# Altium PCB PCB.PcbDoc (part 2 of 4)
Units mm, origin at the board's own origin, x right, y up, seen from the top; angles counter-clockwise.
Board outline 100 x 100 mm, 6 copper layers (Top Layer, Layer 2, Layer 3, Layer 4, Layer 5, Bottom Layer), stack 1.538 mm thick; 352 components, 247 nets, 1015 pads, 362 vias.
Unrouted connection lines stored in the file: 1.
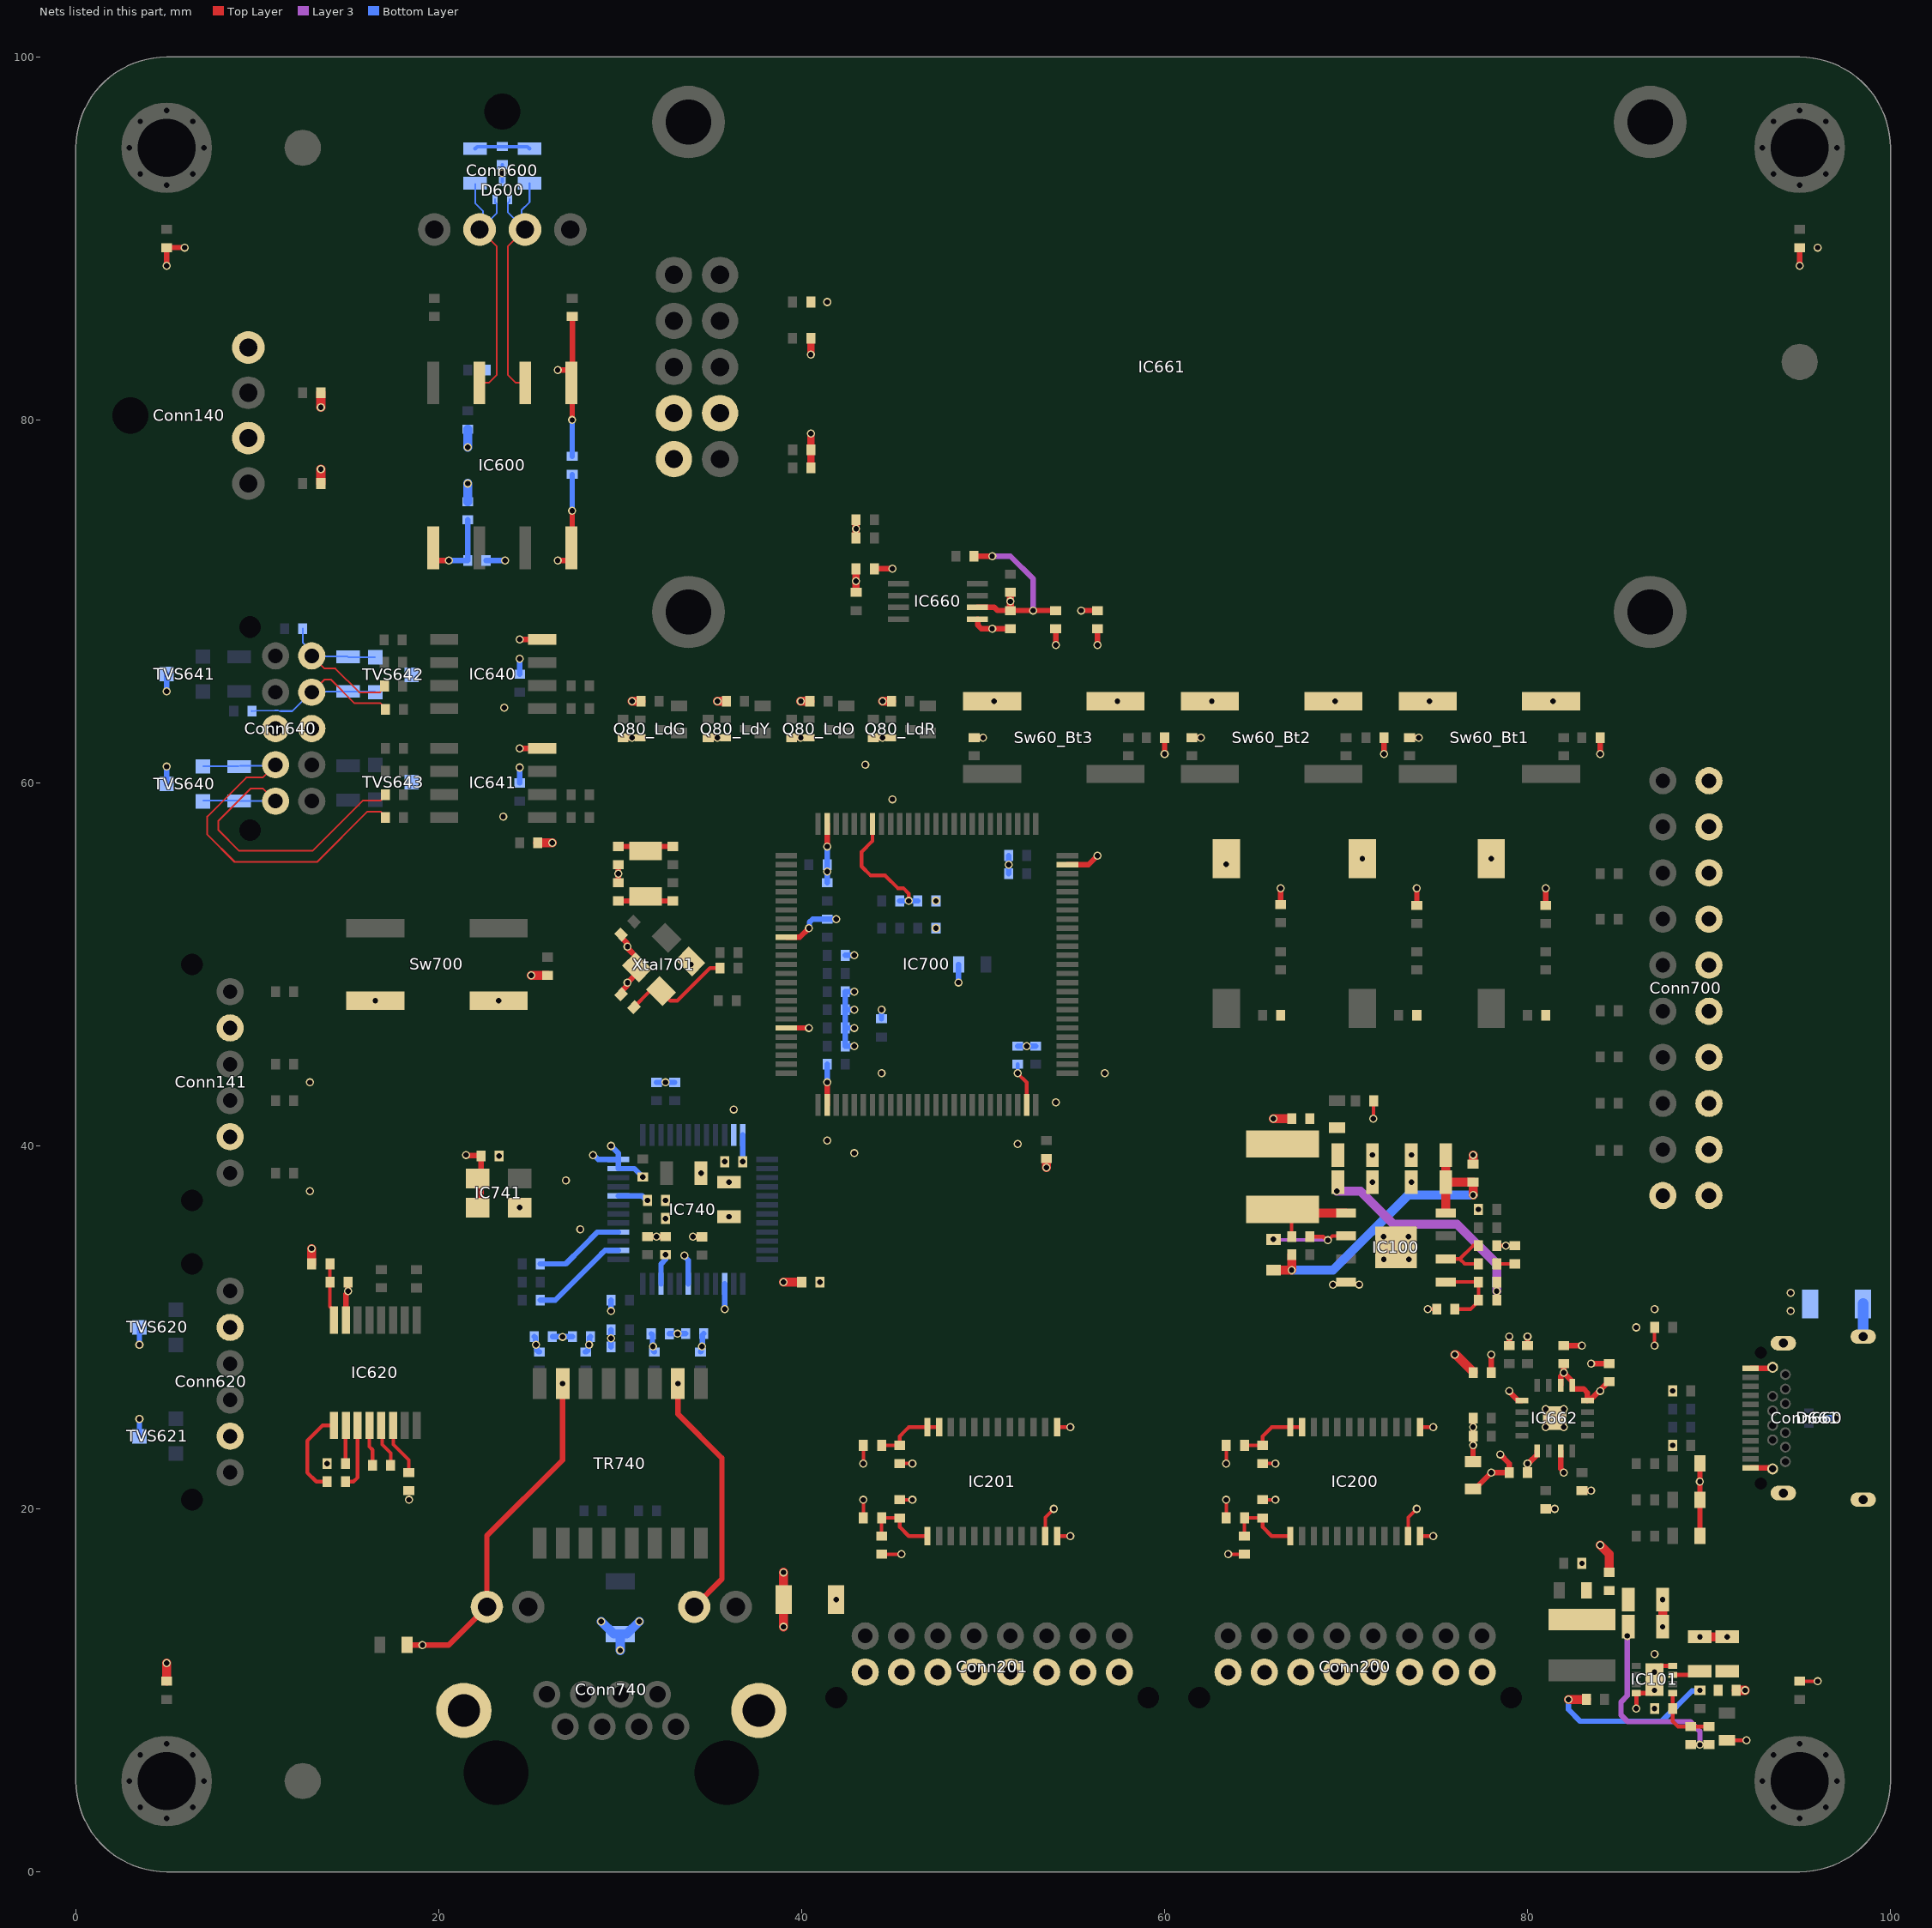
[diagram p6: the nets of this part, all layers, seen from the top]

## Footprints (in the part's own frame and the unit in brackets; to place one, negate y for a bottom-side part, rotate by r counter-clockwise, add the part's x,y. Pads: shape width x height; smd on the part's side, far side on the other; paste and mask are expansions set on the pad) (continued)
"QFP-100, 14mm x 14mm" [mm] "QFP, 100Pin, 14mm x 14mm, 1.6mm"
  rect 1.2x0.3 smd mask+0.05: 1(-7.75,6) 2(-7.75,5.5) 3(-7.75,5) 4(-7.75,4.5) 5(-7.75,4) 6(-7.75,3.5) 7(-7.75,3) 8(-7.75,2.5) 9(-7.75,2) 10(-7.75,1.5) 11(-7.75,1) 12(-7.75,0.5) 13(-7.75,0) 14(-7.75,-0.5) 15(-7.75,-1) 16(-7.75,-1.5) 17(-7.75,-2) 18(-7.75,-2.5) 19(-7.75,-3) 20(-7.75,-3.5) 21(-7.75,-4) 22(-7.75,-4.5) 23(-7.75,-5) 24(-7.75,-5.5) 25(-7.75,-6) 51(7.75,-6) 52(7.75,-5.5) 53(7.75,-5) 54(7.75,-4.5) 55(7.75,-4) 56(7.75,-3.5) 57(7.75,-3) 58(7.75,-2.5) 59(7.75,-2) 60(7.75,-1.5) 61(7.75,-1) 62(7.75,-0.5) 63(7.75,0) 64(7.75,0.5) 65(7.75,1) 66(7.75,1.5) 67(7.75,2) 68(7.75,2.5) 69(7.75,3) 70(7.75,3.5) 71(7.75,4) 72(7.75,4.5) 73(7.75,5) 74(7.75,5.5) 75(7.75,6)
  rect 0.3x1.2 smd mask+0.05: 26(-6,-7.75) 27(-5.5,-7.75) 28(-5,-7.75) 29(-4.5,-7.75) 30(-4,-7.75) 31(-3.5,-7.75) 32(-3,-7.75) 33(-2.5,-7.75) 34(-2,-7.75) 35(-1.5,-7.75) 36(-1,-7.75) 37(-0.5,-7.75) 38(0,-7.75) 39(0.5,-7.75) 40(1,-7.75) 41(1.5,-7.75) 42(2,-7.75) 43(2.5,-7.75) 44(3,-7.75) 45(3.5,-7.75) 46(4,-7.75) 47(4.5,-7.75) 48(5,-7.75) 49(5.5,-7.75) 50(6,-7.75) 76(6,7.75) 77(5.5,7.75) 78(5,7.75) 79(4.5,7.75) 80(4,7.75) 81(3.5,7.75) 82(3,7.75) 83(2.5,7.75) 84(2,7.75) 85(1.5,7.75) 86(1,7.75) 87(0.5,7.75) 88(0,7.75) 89(-0.5,7.75) 90(-1,7.75) 91(-1.5,7.75) 92(-2,7.75) 93(-2.5,7.75) 94(-3,7.75) 95(-3.5,7.75) 96(-4,7.75) 97(-4.5,7.75) 98(-5,7.75) 99(-5.5,7.75) 100(-6,7.75)
  silkscreen extent -7.8,-7.8 7.8,7.8, body extent -8,-8 8,8, height 1.61
Resistor_SMD_M1005_I0402 [mm] "Resistor, SMD, M1005, I0402"
  rect 0.5x0.6 smd mask+0.05: 1(-0.5,0) 2(0.5,0)
  silkscreen extent -0.1,-0.3 0.1,0.3, body extent -0.51,-0.25 0.49,0.25, height 0.18
Resistor_SMD_M2012_I0805 [mm] "Resistor, SMD, M2012, I0805"
  rect 0.7x1.3 smd mask+0.05: 1(-0.95,0) 2(0.95,0)
  silkscreen extent -0.4,-0.7 0.4,0.7, body extent -1,-0.63 1,0.63, height 0.3
"Richtek, RT2862xSP, SOP-8" [mm] "Richtek, RT2862xSP, SOP, 8Pin"
  rect 1.1x0.5 smd mask+0.05: 1-SW(-2.75,1.905) 2-BOOT(-2.75,0.635) 3-EN(-2.75,-0.635) 4-GND(-2.75,-1.905) 5-FB(2.75,-1.905) 6-COMP(2.75,-0.635) 7-RT(2.75,0.635) 8-VIN(2.75,1.905)
  rect 2.3x2.3 smd paste-0.35 mask+0.05: EP-GND(0,0)
  silkscreen extent -2,-2.5 2,2.5, body extent -3.02,-2.51 3.02,2.51, height 1.6
"RJ45 - Amphenol, RJHSE-x38-A1" [mil] "RJ45 - Amphenol, RJHSE-x38-A1"
  round 59.06 hole 35.43: 1(140,-35) 2(100,35) 3(60,-35) 4(20,35) 5(-20,-35) 6(-60,35) 7(-100,-35) 8(-140,35)
  round 0 hole 140 unplated: Hole-L(-250,-135) Hole-R(250,-135)
  round 70 hole 40: L1-A(-270,225) L1-C(-180,225) L2-A(180,225) L2-C(270,225)
  round 120 hole 70: Shield(-320,0) Shield(320,0)
  silkscreen extent -326,-350 325,270, body extent -331,-360 331,278, height 582
"Slide, SPST - C&K, SDA01HxS" [mm] "Slide, SPST - C&K, SDA01HxS"
  rect 1.5x2.15 smd mask+0.05: A(0,4.125) B(0,-4.125)
  silkscreen extent -2.26,-3.74 2.26,3.74, body extent -2.26,-4.65 2.26,4.65, height 5.44
"SOIC-8, NB" [mm] "SOIC-8, NB"
  rect 1.55x0.6 smd mask+0.05: 1(-2.7,1.905) 2(-2.7,0.635) 3(-2.7,-0.635) 4(-2.7,-1.905) 5(2.7,-1.905) 6(2.7,-0.635) 7(2.7,0.635) 8(2.7,1.905)
  silkscreen extent -2,-2.5 2,2.5, body extent -3,-2.45 3,2.45, height 1.75
"SOT-416FL, Mosfet - Type 1" [mm] "SOT-416FL, Mosfet - Type 1"
  rect 0.4x0.6 smd mask+0.05: D(0,0.55) G(-0.5,-0.55) S(0.5,-0.55)
  silkscreen extent -0.8,-0.45 0.8,0.45, body extent -0.8,-0.85 0.8,0.85, height 0.87
"Tactile, SPST - Panasonic, EVQQ2" [mm] "Tactile, SPST - Panasonic, EVQQ2"
  rect 3.2x1 smd mask+0.05: A(-3.4,-2) A(3.4,-2) B(-3.4,2) B(3.4,2)
  silkscreen extent -3,-3.25 3,3.25, body extent -3.3,-3 3.3,3, height 3.1
"Taiyo Yuden - Power Inductor, 4040TK" [mm] "Taiyo Yuden - Power Inductor, 4040TK"
  rect 1.2x3.7 smd mask+0.05: 1(-1.4,0) 2(1.4,0)
  silkscreen extent -2,-2 2,2, body extent -2,-2 2,2, height 1.2
"Taiyo Yuden - Power Inductor, 5050WK" [mm] "Taiyo Yuden - Power Inductor, 5050WK"
  rect 1.5x4 smd mask+0.05: 1(-1.8,0) 2(1.8,0)
  silkscreen extent -2,-2 2,2, body extent -2.45,-2.45 2.45,2.45, height 3
"Transformer, Pulse - Bourns, SM13126PEL" [mm] "Transformer, Pulse - Bourns, SM13126PEL"
  rect 1.7x0.76 smd mask+0.05: 1(-4.4,4.445) 2(-4.4,3.175) 3(-4.4,1.905) 4(-4.4,0.635) 5(-4.4,-0.635) 6(-4.4,-1.905) 7(-4.4,-3.175) 8(-4.4,-4.445) 9(4.4,-4.445) 10(4.4,-3.175) 11(4.4,-1.905) 12(4.4,-0.635) 13(4.4,0.635) 14(4.4,1.905) 15(4.4,3.175) 16(4.4,4.445)
  silkscreen extent -3.45,-6.4 3.45,6.4, body extent -4.72,-6.4 4.72,6.4, height 5.65
"TSSOP-8, Body 3mm, Pitch 0.65mm" [mm] "TSSOP-8, Body 3mm, Pitch 0.65mm"
  rect 1.15x0.3 smd mask+0.05: 1(-2.175,0.975) 2(-2.175,0.325) 3(-2.175,-0.325) 4(-2.175,-0.975) 5(2.175,-0.975) 6(2.175,-0.325) 7(2.175,0.325) 8(2.175,0.975)
  silkscreen extent -1.5,-1.5 1.5,1.5, body extent -2.5,-1.55 2.5,1.55, height 1.11
TSSOP-16 [mm] "TSSOP-16"
  rect 1.5x0.45 smd mask+0.05: 1(-2.9,2.275) 2(-2.9,1.625) 3(-2.9,0.975) 4(-2.9,0.325) 5(-2.9,-0.325) 6(-2.9,-0.975) 7(-2.9,-1.625) 8(-2.9,-2.275) 9(2.9,-2.275) 9(2.9,-2.275) 10(2.9,-1.625) 11(2.9,-0.975) 12(2.9,-0.325) 13(2.9,0.325) 14(2.9,0.975) 15(2.9,1.625) 16(2.9,2.275)
  silkscreen extent -2.25,-2.55 2.25,2.55, body extent -3.2,-2.5 3.2,2.5, height 1.13
TSSOP-24 [mm] "TSSOP-24"
  rect 1x0.35 smd mask+0.05: 1(-3,3.575) 2(-3,2.925) 3(-3,2.275) 4(-3,1.625) 5(-3,0.975) 6(-3,0.325) 7(-3,-0.325) 8(-3,-0.975) 9(-3,-1.625) 10(-3,-2.275) 11(-3,-2.925) 12(-3,-3.575) 13(3,-3.575) 14(3,-2.925) 15(3,-2.275) 16(3,-1.625) 17(3,-0.975) 18(3,-0.325) 19(3,0.325) 20(3,0.975) 21(3,1.625) 22(3,2.275) 23(3,2.925) 24(3,3.575)
  silkscreen extent -2.25,-3.95 2.25,3.95, body extent -3.28,-3.95 3.28,3.95, height 1.2

## Part data
C40_Sw1 C40_Sw2 C40_Sw3 C60_Bt1 C60_Bt2 C60_Bt3 C100 C200 C201 C202 C203 C600 C601 C602 C620 C621 C622 C623 C624 C640 C641 C660 C661 C662 C663 C664 C700 C704 C705 C706 C707 C708 C709 C712 C713 C715 C741 C742 C743 C744 C746 C747 C748 C750 C752 C753 C754: Manufacturer="KYOCERA AVX", Manufacturer Part Number=04026D104KAT4A, Operating Temperature, Max=+85℃, Operating Temperature, Min=-55℃, Package=M1005, Rated Voltage=6.3V, Supplier Part Number=478-11504-1-ND, Temperature Coefficient=X5R, Tolerance=±10%, Component Category=Capacitor, Component Type=Ceramic, ComponentLink1Description=Datasheet, ComponentLink1URL="C:\Users\Public\Documents\Altium\env\Datasheets\Capacitor\Kyocera X5R Ceramic.pdf", ComponentLink2Description="Supplier Link", ComponentLink2URL=https://www.digikey.com/en/products/detail/kyocera-avx/04026D104KAT4A/8107673, Price, Max=$0.00240, Price, Min=$0.08000, Quantity, Max=50,000, Quantity, Min=1, Supplier=Digikey, Supplier Currency=$, Supplier Link=https://www.digikey.com/en/products/detail/kyocera-avx/04026D104KAT4A/8107673
C101 C102 C104 C105 C108 C109 C110 C111: "Cap, Cer, 22uF, 6.3V, M2012", Manufacturer=Murata, Manufacturer Part Number=GRM21BR60J226ME39K, Operating Temperature, Max=+85℃, Operating Temperature, Min=-55℃, Package=M2012, Rated Voltage=6.3V, Supplier Part Number=490-6471-1-ND, Temperature Coefficient=X5R, Tolerance=20%, Component Category=Capacitor, Component Type=Ceramic, ComponentLink1Description=Datasheet, ComponentLink1URL="C:\Users\User\OneDrive - Karadeniz Teknik University\Masaüstü\pcb\Altium-Designer-ile-Elektronik-Devre-Karti-Tasarimi_2024-main\Datasheets\Capacitor\Murata - Multilayer Ceramic Capacitors.pdf", ComponentLink2Description="Supplier Link", ComponentLink2URL=https://www.digikey.com/en/products/detail/murata-electronics/GRM21BR60J226ME39K/2546881, Price, Max=$0.02815, Price, Min=$0.21000, Quantity, Max=30,000, Quantity, Min=1, Supplier=Digikey, Supplier Currency=$, Supplier Link=https://www.digikey.com/en/products/detail/murata-electronics/GRM21BR60J226ME39K/2546881
C103 C106 C112 C667 C668 C701 C702: "Cap, Cer, 22pF, 25V, M1005", Manufacturer=Walsin, Manufacturer Part Number=0402N220J250CT, Operating Temperature, Max=+125℃, Operating Temperature, Min=-55℃, Package=M1005, Rated Voltage=25V, Supplier Part Number=1292-1282-1-ND, Temperature Coefficient="C0G, NP0", Tolerance=5%, Component Category=Capacitor, Component Type=Ceramic, ComponentLink1Description=Datasheet, ComponentLink1URL="C:\Users\User\OneDrive - Karadeniz Teknik University\Masaüstü\pcb\Altium-Designer-ile-Elektronik-Devre-Karti-Tasarimi_2024-main\Datasheets\Capacitor\Walsin - Multilayer Ceramic Capacitors.pdf", ComponentLink2Description="Supplier Link", ComponentLink2URL=https://www.digikey.com/en/products/detail/walsin-technology-corporation/0402N220J250CT/9354779, Price, Max=$0.00128, Price, Min=$0.10000, Quantity, Max=250,000, Quantity, Min=1, Supplier=Digikey, Supplier Currency=$, Supplier Link=https://www.digikey.com/en/products/detail/walsin-technology-corporation/0402N220J250CT/9354779
C107: "Cap, Cer, 2.7nF, 50V, M1005", Manufacturer=Yageo, Manufacturer Part Number=CC0402KRX7R9BB272, Operating Temperature, Max=+125℃, Operating Temperature, Min=-55℃, Package=M1005, Rated Voltage=50V, Supplier Part Number=311-1033-1-ND, Temperature Coefficient=X7R, Tolerance=10%, Component Category=Capacitor, Component Type=Ceramic, ComponentLink1Description=Datasheet, ComponentLink1URL="C:\Users\User\OneDrive - Karadeniz Teknik University\Masaüstü\pcb\Altium-Designer-ile-Elektronik-Devre-Karti-Tasarimi_2024-main\Datasheets\Capacitor\Yageo - Surface-Mount Ceramic Multilayer Capacitors.pdf", ComponentLink2Description="Supplier Link", ComponentLink2URL=https://www.digikey.com/en/products/detail/yageo/CC0402KRX7R9BB272/302767, Price, Max=$0.00128, Price, Min=$0.10000, Quantity, Max=250,000, Quantity, Min=1, Supplier=Digikey, Supplier Currency=$, Supplier Link=https://www.digikey.com/en/products/detail/yageo/CC0402KRX7R9BB272/302767
C665 C703: "Cap, Cer, 1uF, 6.3V, M1005", Manufacturer=Samsung, Manufacturer Part Number=CL10A475KQ8NNNC, Operating Temperature, Max=+85℃, Operating Temperature, Min=-55℃, Package=M1005, Rated Voltage=6.3V, Supplier Part Number=1276-1045-1-ND, Temperature Coefficient=X5R, Tolerance=10%, Component Category=Capacitor, Component Type=Ceramic, ComponentLink1Description=Datasheet, ComponentLink1URL="C:\Users\Public\Documents\Altium\env\Datasheets\Capacitor\Samsung - Multi Layer Ceramic Capacitors.pdf", ComponentLink2Description="Supplier Link", ComponentLink2URL=https://www.digikey.com/en/products/detail/samsung-electro-mechanics/CL10A475KQ8NNNC/3886703, Price, Max=$0.00431, Price, Min=$0.08000, Quantity, Max=4,000, Quantity, Min=1, Supplier=Digikey, Supplier Currency=$, Supplier Link=https://www.digikey.com/en/products/detail/samsung-electro-mechanics/CL10A475KQ8NNNC/3886703
C669 C749 C751: "Cap, Cer, 1nF, 2kV, M3216", Manufacturer=Yageo, Manufacturer Part Number=CC1206MKX7RDBB102, Operating Temperature, Max=+125℃, Operating Temperature, Min=-55℃, Package=M3216, Rated Voltage=2kV, Supplier Part Number=311-4501-1-ND, Temperature Coefficient=X7R, Tolerance=20%, Component Category=Capacitor, Component Type=Ceramic, ComponentLink1Description=Datasheet, ComponentLink1URL="C:\Users\User\OneDrive - Karadeniz Teknik University\Masaüstü\pcb\Altium-Designer-ile-Elektronik-Devre-Karti-Tasarimi_2024-main\Datasheets\Capacitor\Walsin - Multilayer Ceramic Capacitors.pdf", ComponentLink2Description="Supplier Link", ComponentLink2URL=https://www.digikey.com/en/products/detail/yageo/CC1206MKX7RDBB102/5884663, Price, Max=$0.03901, Price, Min=$0.23000, Quantity, Max=75,000, Quantity, Min=1, Supplier=Digikey, Supplier Currency=$, Supplier Link=https://www.digikey.com/en/products/detail/yageo/CC1206MKX7RDBB102/5884663
C710 C711: "Cap, Cer, 1uF, 6.3V, M1005", Manufacturer=Samsung, Manufacturer Part Number=CL05A105MQ5NNNC, Operating Temperature, Max=+85℃, Operating Temperature, Min=-55℃, Package=M1005, Rated Voltage=6.3V, Supplier Part Number=1276-1235-1-ND, Temperature Coefficient=X5R, Tolerance=20%, Component Category=Capacitor, Component Type=Ceramic, ComponentLink1Description=Datasheet, ComponentLink1URL="C:\Users\Public\Documents\Altium\env\Datasheets\Capacitor\Samsung - Multi Layer Ceramic Capacitors.pdf", ComponentLink2Description="Supplier Link", ComponentLink2URL=https://www.digikey.com/en/products/detail/samsung-electro-mechanics/CL05A105MQ5NNNC/3886893, Price, Max=$0.00211, Price, Min=$0.10000, Quantity, Max=250,000, Quantity, Min=1, Supplier=Digikey, Supplier Currency=$, Supplier Link=https://www.digikey.com/en/products/detail/samsung-electro-mechanics/CL05A105MQ5NNNC/3886893
C714 C718: "Cap, Cer, 16pF, 50V, M1005", Manufacturer=Walsin, Manufacturer Part Number=0402N160J500CT, Operating Temperature, Max=+125℃, Operating Temperature, Min=-55℃, Package=M1005, Rated Voltage=50V, Supplier Part Number=1292-1262-1-ND, Temperature Coefficient="C0G, NP0", Tolerance=5%, Component Category=Capacitor, Component Type=Ceramic, ComponentLink1Description=Datasheet, ComponentLink1URL="C:\Users\Public\Documents\Altium\env\Datasheets\Capacitor\Walsin - Multilayer Ceramic Capacitors.pdf", ComponentLink2Description="Supplier Link", ComponentLink2URL=https://www.digikey.com/en/products/detail/walsin-technology-corporation/0402N160J500CT/9354759, Price, Max=$0.00182, Price, Min=$0.10000, Quantity, Max=250,000, Quantity, Min=1, Supplier=Digikey, Supplier Currency=$, Supplier Link=https://www.digikey.com/en/products/detail/walsin-technology-corporation/0402N160J500CT/9354759
C716 C717: "Cap, Cer, 1uF, 6.3V, M1005", Manufacturer=Samsung, Manufacturer Part Number=CL05A225MQ5NNNC, Operating Temperature, Max=+85℃, Operating Temperature, Min=-55℃, Package=M1005, Rated Voltage=6.3V, Supplier Part Number=1276-1469-1-ND, Temperature Coefficient=X5R, Tolerance=20%, Component Category=Capacitor, Component Type=Ceramic, ComponentLink1Description=Datasheet, ComponentLink1URL="C:\Users\Public\Documents\Altium\env\Datasheets\Capacitor\Samsung - Multi Layer Ceramic Capacitors.pdf", ComponentLink2Description="Supplier Link", ComponentLink2URL=https://www.digikey.com/en/products/detail/samsung-electro-mechanics/CL05A225MQ5NNNC/3887127, Price, Max=$0.00241, Price, Min=$0.08000, Quantity, Max=10,000, Quantity, Min=1, Supplier=Digikey, Supplier Currency=$, Supplier Link=https://www.digikey.com/en/products/detail/samsung-electro-mechanics/CL05A225MQ5NNNC/3887127
C740 C745: "Cap, Cer, 10uF, 6.3V, M2012", Manufacturer=Samsung, Manufacturer Part Number=CL21A106MQFNNNE, Operating Temperature, Max=+85℃, Operating Temperature, Min=-55℃, Package=M2012, Rated Voltage=6.3V, Supplier Part Number=1292-1282-1-ND, Temperature Coefficient=X5R, Tolerance=20%, Component Category=Capacitor, Component Type=Ceramic, ComponentLink1Description=Datasheet, ComponentLink1URL="C:\Users\User\OneDrive - Karadeniz Teknik University\Masaüstü\pcb\Altium-Designer-ile-Elektronik-Devre-Karti-Tasarimi_2024-main\Datasheets\Capacitor\Walsin - Multilayer Ceramic Capacitors.pdf", ComponentLink2Description="Supplier Link", ComponentLink2URL=https://www.digikey.com/en/products/detail/walsin-technology-corporation/0402N220J250CT/9354779, Price, Max=$0.00846, Price, Min=$0.10000, Quantity, Max=50,000, Quantity, Min=1, Supplier=Digikey, Supplier Currency=$, Supplier Link=https://www.digikey.com/en/products/detail/samsung-electro-mechanics/CL21A106MQFNNNE/3886956
Conn140 Conn600: "Conn, JST, 4P, TH, XA, Side Entry", Manufacturer=JST, Manufacturer Part Number=S04B-XASK-1(LF)(SN), Operating Temperature, Max=+85℃, Operating Temperature, Min=-25℃, Package="SMD, TH, Side Entry", Supplier Part Number=455-4090-ND, Component Category=Connector, Component Type=PCB, ComponentLink1Description=Datasheet, ComponentLink1URL="C:\Users\Public\Documents\Altium\env\Datasheets\Connector - JST\XA Family.pdf", ComponentLink2Description="Supplier Link", ComponentLink2URL=https://www.digikey.com/en/products/detail/jst-sales-america-inc/S04B-XASK-1-LF-SN/7230506, Price, Max=$0.21016, Price, Min=$0.40000, Quantity, Max=10,000, Quantity, Min=1, Supplier=Digikey, Supplier Currency=$, Supplier Link=https://www.digikey.com/en/products/detail/jst-sales-america-inc/S04B-XASK-1-LF-SN/7230506
Conn141 Conn620: "Connector, 6Pin", Manufacturer=JST, Manufacturer Part Number=S06B-PASK-2, Operating Temperature, Max=+85℃, Operating Temperature, Min=-25℃, Package="TH, Side", Supplier Part Number=455-S06B-PASK-2-ND, Component Category=Connector, Component Type=PCB, ComponentLink1Description=Datasheet, ComponentLink1URL=C:\Users\Public\Documents\Altium\env\Datasheets\Connector\S06B-PASK-2(LF)(SN).pdf, ComponentLink2Description="Supplier Link", ComponentLink2URL=https://www.digikey.com/en/products/detail/jst-sales-america-inc/S06B-PASK-2/926757?s=N4IgTCBcDaIMoAYBsAhAtABQIJwNJrAAoAZAMQEpC4A5ckAXQF8g, Price, Max=$0.20057, Price, Min=$0.38000, Quantity, Max=10,000, Quantity, Min=1, Supplier=Digikey, Supplier Currency=$, Supplier Link=https://www.digikey.com/en/products/detail/jst-sales-america-inc/S06B-PASK-2/926757?s=N4IgTCBcDaIMoAYBsAhAtABQIJwNJrAAoAZAMQEpC4A5ckAXQF8g
Conn200 Conn201: "Conn, JST, 16P, TH, PAD, Side Entry", Manufacturer=JST, Manufacturer Part Number=S16B-PADSS-1(LF)(SN), Operating Temperature, Max=+85℃, Operating Temperature, Min=-25℃, Package="TH, 2 Rows, RA, Side Entry", Supplier Part Number=455-2037-ND, Component Category=Connector, Component Type=PCB, ComponentLink1Description=Datasheet, ComponentLink1URL="C:\Users\Public\Documents\Altium\env\Datasheets\Connector - JST\PAD Family.pdf", ComponentLink2Description="Supplier Link", ComponentLink2URL=https://www.digikey.com/en/products/detail/jst-sales-america-inc/S16B-PADSS-1-LF-SN/1634778, Price, Max=$0.33258, Price, Min=$0.62000, Quantity, Max=10,080, Quantity, Min=1, Supplier=Digikey, Supplier Currency=$, Supplier Link=https://www.digikey.com/en/products/detail/jst-sales-america-inc/S16B-PADSS-1-LF-SN/1634778
Conn640: "Conn, JST, 10P, TH, PAD, Side Entry", Manufacturer=JST, Manufacturer Part Number=S10B-PADSS-1(LF)(SN), Operating Temperature, Max=+85℃, Operating Temperature, Min=-25℃, Package="TH, 2 Rows, RA, Side Entry", Supplier Part Number=455-2032-ND, Component Category=Connector, Component Type=PCB, ComponentLink1Description=Datasheet, ComponentLink1URL="C:\Users\Public\Documents\Altium\env\Datasheets\Connector - JST\PAD Family.pdf", ComponentLink2Description="Supplier Link", ComponentLink2URL=https://www.digikey.com/en/products/detail/jst-sales-america-inc/S10B-PADSS-1-LF-SN/1634773, Supplier=Digikey, Supplier Currency=$, Supplier Link=https://www.digikey.com/en/products/detail/jst-sales-america-inc/S10B-PADSS-1-LF-SN/1634773
Conn660: "Connector, USB, Type-C", Manufacturer=GCT, Manufacturer Part Number=USB4056-03-A, Operating Temperature, Max=+85℃, Operating Temperature, Min=-25℃, Package=Type-C, Supplier Part Number=2073-USB4056-03-ACT-ND, Component Category=Connector, Component Type=PCB, ComponentLink1Description=Datasheet, ComponentLink1URL="C:\Users\Public\Documents\Altium\env\Datasheets\Connector - USB\GCT, USB4056.pdf", ComponentLink2Description="Supplier Link", ComponentLink2URL=https://www.digikey.com/en/products/detail/gct/usb4056-03-a/14638038, Price, Max=$0.47490, Price, Min=$0.91000, Quantity, Max=10,000, Quantity, Min=1, Supplier=Digikey, Supplier Currency=$, Supplier Link=https://www.digikey.com/en/products/detail/gct/usb4056-03-a/14638038
Conn700: "Conn, Header, 20P, RA, TH, Shrouded", Manufacturer=Omron, Manufacturer Part Number=XG4C-2034, Operating Temperature, Max=+105℃, Operating Temperature, Min=-55℃, Package="TH, RA, Shrouded", Supplier Part Number=OR900-ND, Component Category=Connector, Component Type=Header, ComponentLink1Description=Datasheet, ComponentLink1URL="E:\Altium\Datasheets\Connector - Header\Connector - Omron, XG4 Series.pdf", ComponentLink2Description="Supplier Link", ComponentLink2URL=https://www.digikey.com/en/products/detail/omron-electronics-inc-emc-div/XG4C-2034/1787182, Price, Max=1.27716, Price, Min=1.97, Quantity, Max=450, Quantity, Min=1, Supplier=Digikey, Supplier Currency=$, Supplier Link=https://www.digikey.com/en/products/detail/omron-electronics-inc-emc-div/XG4C-2034/1787182
Conn740: Manufacturer=Amphenol, Manufacturer Part Number=RJHSE-x38-A1, Operating Temperature, Max=+85℃, Operating Temperature, Min=-55℃, Package=RJ45, Supplier Part Number=RJHSE5381A1-ND, Component Category=Connector, Component Type="Registered Jack", ComponentLink1Description=Datasheet, ComponentLink1URL="C:\Users\Public\Documents\Altium\env\Datasheets\Connector\RJ45 - Amphenol.pdf", ComponentLink2Description="Supplier Link", ComponentLink2URL=https://www.digikey.com/en/products/detail/amphenol-icc-commercial-products/rjhse5381a1/3083556, Price, Max=$1.09002, Price, Min=$1.90000, Quantity, Max=2,520, Quantity, Min=1, Supplier=Digikey, Supplier Currency=$, Supplier Link=https://www.digikey.com/en/products/detail/amphenol-icc-commercial-products/rjhse5381a1/3083556
D100: "Diode, Schottky, 30V, 200mA, SOD-523", Current=200mA, Manufacturer=Toshiba, Manufacturer Part Number=CES521,L3F, Operating Temperature, Max=+125℃, Operating Temperature, Min=---℃, Package=SOD-523, Supplier Part Number=CES521L3FCT-ND, Voltage=30V, Component Category=Diode, Component Type=Schottky, ComponentLink1Description=Datasheet, ComponentLink1URL=C:\Users\Public\Documents\Altium\env\Datasheets\Diode\Toshiba_CES521_Schottky_Diode.pdf, ComponentLink2Description="Supplier Link", ComponentLink2URL=https://www.digikey.com/en/products/detail/toshiba-semiconductor-and-storage/CES521-L3F/3522356, Price, Max=$0.01500, Price, Min=$0.13000, Quantity, Max=16,000, Quantity, Min=1, Supplier=Digikey, Supplier Currency=$, Supplier Link=https://www.digikey.com/en/products/detail/toshiba-semiconductor-and-storage/CES521-L3F/3522356
D101 D102 D103 D200 D201 D202 D203 D660 D662 D663 D740: Current=20mA, Manufacturer="Rohm Semiconductor", Manufacturer Part Number=SML-D12U1WT86, Operating Temperature, Max=+85℃, Operating Temperature, Min=-40℃, Package=M1608, Supplier Part Number=SML-D12U1WT86CT-ND, Voltage=2.2V, Component Category=Diode, Component Type=LED, ComponentLink1Description=Datasheet, ComponentLink1URL=C:\Users\Public\Documents\Altium\env\Datasheets\Diode\Rohm_LED_Red.pdf, ComponentLink2Description="Supplier Link", ComponentLink2URL=https://www.digikey.com/en/products/detail/rohm-semiconductor/sml-d12u1wt86/5843853, Price, Max=$0.02318, Price, Min=$0.12000, Quantity, Max=300000, Quantity, Min=1, Supplier=Digikey, Supplier Currency=$, Supplier Link=https://www.digikey.com/en/products/detail/rohm-semiconductor/sml-d12u1wt86/5843853
D600 D661: "Diode, TVS, 5V/6.8V, SOD-723", Manufacturer=Toshiba, Manufacturer Part Number=DF3A6.8LFV,L3F, Operating Temperature, Max=*℃, Package=SOT-723, Supplier Part Number=DF3A6.8LFVL3FCT-ND, Voltage, Break Down=6.8V, Voltage, Stand OFF=5V, Component Category=Diode, Component Type=TVS, ComponentLink1Description=Datasheet, ComponentLink1URL=C:\Users\Public\Documents\Altium\env\Datasheets\Diode\Toshiba_DF3A6.8LFV_TVS_Diode.pdf, ComponentLink2Description="Supplier Link", ComponentLink2URL=https://www.digikey.com/en/products/detail/toshiba-semiconductor-and-storage/DF3A6-8LFV-L3F/4305070, Operating Temperature, Min=*℃, Price, Max=$0.02250, Price, Min=$0.14000, Quantity, Max=8,000, Quantity, Min=1, Supplier=Digikey, Supplier Currency=$, Supplier Link=https://www.digikey.com/en/products/detail/toshiba-semiconductor-and-storage/DF3A6-8LFV-L3F/4305070
Housing300 Housing305: "Housing, JST, 4P, XA", Manufacturer=JST, Manufacturer Part Number=XAP-04V-1, Operating Temperature, Max=+85℃, Operating Temperature, Min=-25℃, Package=Housing, Supplier Part Number=455-2150-ND, Component Category=Connector, Component Type=PCB, ComponentLink1Description=Datasheet, ComponentLink1URL=C:\Users\Public\Documents\Altium\env\Datasheets\Connector\PAP-06V-S.pdf, ComponentLink2Description="Supplier Link", ComponentLink2URL=https://www.digikey.com/en/products/detail/jst-sales-america-inc/XAP-04V-1/959010, Price, Max=$0.05137, Price, Min=$0.10000, Quantity, Max=3,000, Quantity, Min=1, Supplier=Digikey, Supplier Currency=$, Supplier Link=https://www.digikey.com/en/products/detail/jst-sales-america-inc/XAP-04V-1/959010
Housing301 Housing302: "Housing, 6Pin", Manufacturer=JST, Manufacturer Part Number=PADP-16V-1-S, Operating Temperature, Max=+85℃, Operating Temperature, Min=-25℃, Package=Housing, Supplier Part Number=455-2143-ND, Component Category=Connector, Component Type=PCB, ComponentLink1Description=Datasheet, ComponentLink1URL=C:\Users\Public\Documents\Altium\env\Datasheets\Connector\PAP-06V-S.pdf, ComponentLink2Description="Supplier Link", ComponentLink2URL=https://www.digikey.com/en/products/detail/jst-sales-america-inc/PADP-16V-1-S/1300224?s=N4IgTCBcDaIAoEEAicC0BGAbANQyAugL5A, Price, Max=$0.14985, Price, Min=$0.26000, Quantity, Max=3,000, Quantity, Min=1, Supplier=Digikey, Supplier Currency=$, Supplier Link=https://www.digikey.com/en/products/detail/jst-sales-america-inc/PADP-16V-1-S/1300224?s=N4IgTCBcDaIAoEEAicC0BGAbANQyAugL5A
Housing303: "Housing, 6Pin", Manufacturer=JST, Manufacturer Part Number=PADP-10V-1-S, Operating Temperature, Max=+85℃, Operating Temperature, Min=-25℃, Package=Housing, Supplier Part Number=455-2140-ND, Component Category=Connector, Component Type=PCB, ComponentLink1Description=Datasheet, ComponentLink1URL=C:\Users\Public\Documents\Altium\env\Datasheets\Connector\PAP-06V-S.pdf, ComponentLink2Description="Supplier Link", ComponentLink2URL=https://www.digikey.com/en/products/detail/jst-sales-america-inc/PADP-10V-1-S/1300221, Price, Max=$0.07648, Price, Min=$0.13000, Quantity, Max=3,000, Quantity, Min=1, Supplier=Digikey, Supplier Currency=$, Supplier Link=https://www.digikey.com/en/products/detail/jst-sales-america-inc/PADP-10V-1-S/1300221
Housing304 Housing306: "Housing, 6Pin", Manufacturer=JST, Manufacturer Part Number=PAP-06V-S, Operating Temperature, Max=+85℃, Operating Temperature, Min=-25℃, Package=Housing, Supplier Part Number=455-1490-ND, Component Category=Connector, Component Type=PCB, ComponentLink1Description=Datasheet, ComponentLink1URL=C:\Users\Public\Documents\Altium\env\Datasheets\Connector\PAP-06V-S.pdf, ComponentLink2Description="Supplier Link", ComponentLink2URL=https://www.digikey.com/en/products/detail/jst-sales-america-inc/pap-06v-s/759978, Price, Max=$0.07648, Price, Min=$0.13000, Quantity, Max=3,000, Quantity, Min=1, Supplier=Digikey, Supplier Currency=$, Supplier Link=https://www.digikey.com/en/products/detail/jst-sales-america-inc/pap-06v-s/759978
IC100: "IC, Power, DC-DC, Richtek, RT2862xSP", Manufacturer=Richtek, Manufacturer Part Number=RT2862GSP, Operating Temperature, Max=+85℃, Operating Temperature, Min=-40℃, Package=SOP-8, Supplier Part Number=1028-1373-1-ND, Component Category=Power, Component Type=IC, ComponentLink1Description=Datasheet, ComponentLink1URL="C:\Users\Public\Documents\Altium\env\Datasheets\IC - Power - DC-DC\Richtek, RT2862.pdf", ComponentLink2Description="Supplier Link", ComponentLink2URL=https://www.digikey.com/en/products/detail/richtek-usa-inc/rt2862gsp/5880463, Price, Max=$0.87336, Price, Min=$1.79000, Quantity, Max=7,500, Quantity, Min=1, Supplier=Digikey, Supplier Currency=$, Supplier Link=https://www.digikey.com/en/products/detail/richtek-usa-inc/rt2862gsp/5880463
IC101: "IC, Power, DC-DC, Diodes, AP3441", Manufacturer=Diodes, Manufacturer Part Number=AP3441SHE-7B, Operating Temperature, Max=+85℃, Operating Temperature, Min=-40℃, Package=DFN-8, Supplier Part Number=AP3441SHE-7BDICT-ND, Component Category=Power, Component Type=IC, ComponentLink1Description=Datasheet, ComponentLink1URL="C:\Users\Public\Documents\Altium\env\Datasheets\IC - Power - DC-DC\Diodes, AP3441.pdf", ComponentLink2Description="Supplier Link", ComponentLink2URL=https://www.digikey.com/en/products/detail/diodes-incorporated/AP3441SHE-7B/9765636, Price, Max=$0.13728, Price, Min=$0.31000, Quantity, Max=1,000, Quantity, Min=1, Supplier=Digikey, Supplier Currency=$, Supplier Link=https://www.digikey.com/en/products/detail/diodes-incorporated/AP3441SHE-7B/9765636
IC200 IC201: "IC, Buffer, Nexperia, TSSOP-24", Manufacturer=Nexperia, Manufacturer Part Number=74LVC4245APW,118, Operating Temperature, Max=+125℃, Operating Temperature, Min=-40℃, Package=TSSOP-24, Supplier Part Number=1727-4308-1-ND, Component Category=IC, Component Type=Buffer, ComponentLink1Description=Datasheet, ComponentLink1URL="C:\Users\Public\Documents\Altium\env\Datasheets\IC - Buffer\NXP -74LVC4245A.pdf", ComponentLink2Description="Supplier Link", ComponentLink2URL=https://www.digikey.com/en/products/detail/nexperia-usa-inc/74lvc4245apw-118/1231659, Price, Max=$0.34850, Price, Min=$0.71000, Quantity, Max=1,000, Quantity, Min=1, Supplier=Digikey, Supplier Currency=$, Supplier Link=https://www.digikey.com/en/products/detail/nexperia-usa-inc/74lvc4245apw-118/1231659
IC600: "IC, Interface, CAN, DIP-8", Manufacturer="Texas Instruments", Manufacturer Part Number=ISO1050DUBR, Operating Temperature, Max=+105℃, Operating Temperature, Min=-55℃, Package="DIP-8, Gull Wing", Supplier Part Number=296-24818-1-ND, Component Category=IC, Component Type=Interface, ComponentLink1Description=Datasheet, ComponentLink1URL="C:\Users\Public\Documents\Altium\env\Datasheets\IC - Interface\Texas, ISO1050DUBR.pdf", ComponentLink2Description="Supplier Link", ComponentLink2URL=https://www.digikey.com/en/products/detail/texas-instruments/iso1050dubr/2094633, Price, Max=$2.32380, Price, Min=$3.72000, Quantity, Max=100, Quantity, Min=1, Supplier=Digikey, Supplier Currency=$, Supplier Link=https://www.digikey.com/en/products/detail/texas-instruments/iso1050dubr/2094633
IC620: "IC, Interface, RS232, Texas", Manufacturer="Texas Instruments", Manufacturer Part Number=TRS3232IPWR, Operating Temperature, Max=+85℃, Operating Temperature, Min=-40℃, Package=TSSOP-16, Supplier Part Number=296-25041-1-ND, Component Category=IC, Component Type=Interface, ComponentLink1Description=Datasheet, ComponentLink1URL="C:\Users\Public\Documents\Altium\env\Datasheets\IC - Interface\Texas, TRS3232IPWR.pdf", ComponentLink2Description="Supplier Link", ComponentLink2URL=https://www.digikey.com/en/products/detail/texas-instruments/trs3232ipwr/1909117, Price, Max=$0.90061, Price, Min=$1.73000, Quantity, Max=1,000, Quantity, Min=1, Supplier=Digikey, Supplier Currency=$, Supplier Link=https://www.digikey.com/en/products/detail/texas-instruments/trs3232ipwr/1909117
IC640 IC641: "IC, Interface, RS422, Texas", Manufacturer="Texas Instruments", Manufacturer Part Number=SN65HVD30D, Operating Temperature, Max=+85℃, Operating Temperature, Min=-40℃, Package=SOIC-8, Supplier Part Number=296-26346-5-ND, Component Category=IC, Component Type=Interface, ComponentLink1Description=Datasheet, ComponentLink1URL="C:\Users\Public\Documents\Altium\env\Datasheets\IC - Interface\RS422 - Texas, SN65HVD30D.pdf", ComponentLink2Description="Supplier Link", ComponentLink2URL=https://www.digikey.com/en/products/detail/texas-instruments/sn65hvd30d/1574539, Supplier=Digikey, Supplier Currency=$, Supplier Link=https://www.digikey.com/en/products/detail/texas-instruments/sn65hvd30d/1574539
IC660: "IC, Interface, I2C, TSSOP-8", Manufacturer=Nexperia, Manufacturer Part Number=NVT2002DP,118, Operating Temperature, Max=-40℃, Operating Temperature, Min=+85℃, Package=TSSOP-8, Supplier Part Number=568-5121-1-ND, Component Category=IC, Component Type=Interface, ComponentLink1Description=Datasheet, ComponentLink1URL="C:\Users\Public\Documents\Altium\env\Datasheets\IC - Interface\Voltage Translator, I2C - NXP, NVT2001, NVT2002.pdf", ComponentLink2Description="Supplier Link", ComponentLink2URL=https://www.digikey.com/en/products/detail/nxp-usa-inc/NVT2002DP-118/2355938, Price, Max=$0.25914, Price, Min=$0.62000, Quantity, Max=25,000, Quantity, Min=1, Supplier=Digikey, Supplier Currency=$, Supplier Link=https://www.digikey.com/en/products/detail/nxp-usa-inc/NVT2002DP-118/2355938
IC661: "Module, LCD, Orient, AMC0802BR-B-B6WTDW-SPI", Manufacturer="Orient Display", Manufacturer Part Number=AMC0802BR-B-B6WTDW-I2C, Operating Temperature, Max=+70℃, Operating Temperature, Min=-20℃, Package=Custom, Supplier Part Number=5491-AMC0802BR-B-B6WTDW-I2C-ND, Component Category=LCD, Component Type=Module, ComponentLink1Description=Datasheet, ComponentLink1URL="C:\Users\Public\Documents\Altium\env\Datasheets\Module - LCD\AMC0802BR-B-B6WTDW-SPI.pdf", ComponentLink2Description="Supplier Link", ComponentLink2URL=https://www.digikey.com/en/products/detail/orient-display/amc0802br-b-b6wtdw-i2c/22531884, Price, Max=$5.74189, Price, Min=$10.32000, Quantity, Max=1,000, Quantity, Min=1, Supplier=Digikey, Supplier Currency=$, Supplier Link=https://www.digikey.com/en/products/detail/orient-display/amc0802br-b-b6wtdw-i2c/22531884
IC662: "IC, Interface, FTDI, QFN-16", Manufacturer=FTDI, Manufacturer Part Number=FT230XQ-R, Operating Temperature, Max=+85℃, Operating Temperature, Min=-40℃, Package=QFN-16, Supplier Part Number=768-1130-1-ND, Component Category=IC, Component Type=Interface, ComponentLink1Description=Datasheet, ComponentLink1URL="C:\Users\Public\Documents\Altium\env\Datasheets\IC - Interface\FTDI, FT230XQ.pdf", ComponentLink2Description="Supplier Link", ComponentLink2URL=https://www.digikey.com/en/products/detail/ftdi-future-technology-devices-international-ltd/FT230XQ-R/3029142, Price, Max=$1.63030, Price, Min=$2.26000, Quantity, Max=5,000, Quantity, Min=1, Supplier=Digikey, Supplier Currency=$, Supplier Link=https://www.digikey.com/en/products/detail/ftdi-future-technology-devices-international-ltd/FT230XQ-R/3029142
IC700: "IC, MCU, STM32F417VxTx, QFP-100", Manufacturer=STM, Manufacturer Part Number=STM32F417VGT6, Operating Temperature, Max=+85°C, Operating Temperature, Min=-40°C, Package=QFP-100, Supplier Part Number=497-11900-ND, Component Category=IC, Component Type=MCU, ComponentLink1Description=Datasheet, ComponentLink1URL="C:\Users\Public\Documents\Altium\env\Datasheets\IC - MCU\STM32F417VxTx.pdf", ComponentLink2Description="Supplier Link", ComponentLink2URL=https://www.digikey.com/en/products/detail/stmicroelectronics/stm32f417vgt6/2757684, ComponentLink3Description="Programming Manual", ComponentLink3URL="C:\Users\Public\Documents\Altium\env\Datasheets\IC - MCU\STM32 Cortex - M4 MCUs and MPUs programming manual.pdf", Price, Max=$7.40087, Price, Min=$12.09000, Quantity, Max=1080, Quantity, Min=1, Supplier=Digikey, Supplier Currency=$, Supplier Link=https://www.digikey.com/en/products/detail/stmicroelectronics/stm32f417vgt6/2757684
IC740: "IC, Interface, Eth Phy, 10/100Mb, DP83848IVV", Manufacturer=Texas, Manufacturer Part Number=DP83848IVV/NOPB, Operating Temperature, Max=+85℃, Operating Temperature, Min=-40℃, Package=QFP-48, Supplier Part Number=DP83848IVV/NOPB-ND, Component Category=IC, Component Type=Interface, ComponentLink1Description=Datasheet, ComponentLink1URL="C:\Users\Public\Documents\Altium\env\Datasheets\IC - Interface\Ethernet - Texas, DP83848.pdf", ComponentLink2Description="Supplier Link", ComponentLink2URL=https://www.digikey.com/en/products/detail/texas-instruments/DP83848IVV-NOPB/947543, Price, Max=$3.95780, Price, Min=$6.93000, Quantity, Max=2,500, Quantity, Min=1, Supplier=Digikey, Supplier Currency=$, Supplier Link=https://www.digikey.com/en/products/detail/texas-instruments/DP83848IVV-NOPB/947543
IC741: "IC, Oscillator, 50 MHz", Frequency="50 MHz", Manufacturer=ESC, Manufacturer Part Number=ECS-2333-500-BN-TR, Operating Temperature, Max=+85℃, Operating Temperature, Min=-40℃, Package="Flat, 3.2mm x 2.5mm", Supplier Part Number=XC1930CT-ND, Component Category=IC, Component Type="Clock, Timing, Oscillator", ComponentLink1Description=Datasheet, ComponentLink1URL="C:\Users\Public\Documents\Altium\env\Datasheets\IC - Clock, Timing, Oscillator\Clock Oscillator - ECS, ECS-2325, ECS-2333.pdf", ComponentLink2Description="Supplier Link", ComponentLink2URL=https://www.digikey.com/en/products/detail/ecs-inc/ecs-2333-500-bn-tr/3927356, Price, Max=$0.61814, Price, Min=$0.90000, Quantity, Max=500, Quantity, Min=1, Supplier=Digikey, Supplier Currency=$, Supplier Link=https://www.digikey.com/en/products/detail/ecs-inc/ecs-2333-500-bn-tr/3927356
L100: Manufacturer="Taiyo Yuden", Manufacturer Part Number=NRS5020T4R7MMGJ, Operating Temperature, Max=+120℃, Operating Temperature, Min=-25℃, Package="5x5x2 mm", Saturation Current=2A, Supplier Part Number=587-2890-1-ND, Component Category=Inductor, Component Type="Power Inductor", ComponentLink1Description=Datasheet, ComponentLink1URL="C:\Users\Public\Documents\Altium\env\Datasheets\Inductor\Taiyo Yuden - NRx Series.pdf", ComponentLink2Description="Supplier Link", ComponentLink2URL=https://www.digikey.com/en/products/detail/taiyo-yuden/NRS5020T4R7MMGJ/2230192, Price, Max=$0.07087, Price, Min=$0.18000, Quantity, Max=87,750, Quantity, Min=1, Supplier=Digikey, Supplier Currency=$, Supplier Link=https://www.digikey.com/en/products/detail/taiyo-yuden/NRS5020T4R7MMGJ/2230192
L101: Manufacturer="Taiyo Yuden", Manufacturer Part Number=NRS4018T2R2MDGJ, Operating Temperature, Max=+120℃, Operating Temperature, Min=-25℃, Package="4x4x1.8 mm", Saturation Current=3A, Supplier Part Number=587-2890-1-ND, Component Category=Inductor, Component Type="Power Inductor", ComponentLink1Description=Datasheet, ComponentLink1URL="C:\Users\Public\Documents\Altium\env\Datasheets\Inductor\Taiyo Yuden - NRx Series.pdf", ComponentLink2Description="Supplier Link", ComponentLink2URL=https://www.digikey.com/en/products/detail/taiyo-yuden/nrs4018t2r2mdgj/2648968, Price, Max=$0.07087, Price, Min=$0.18000, Quantity, Max=87,750, Quantity, Min=1, Supplier=Digikey, Supplier Currency=$, Supplier Link=https://www.digikey.com/en/products/detail/taiyo-yuden/nrs4018t2r2mdgj/2648968